# Altium PCB NewBee.PcbDoc (continued)
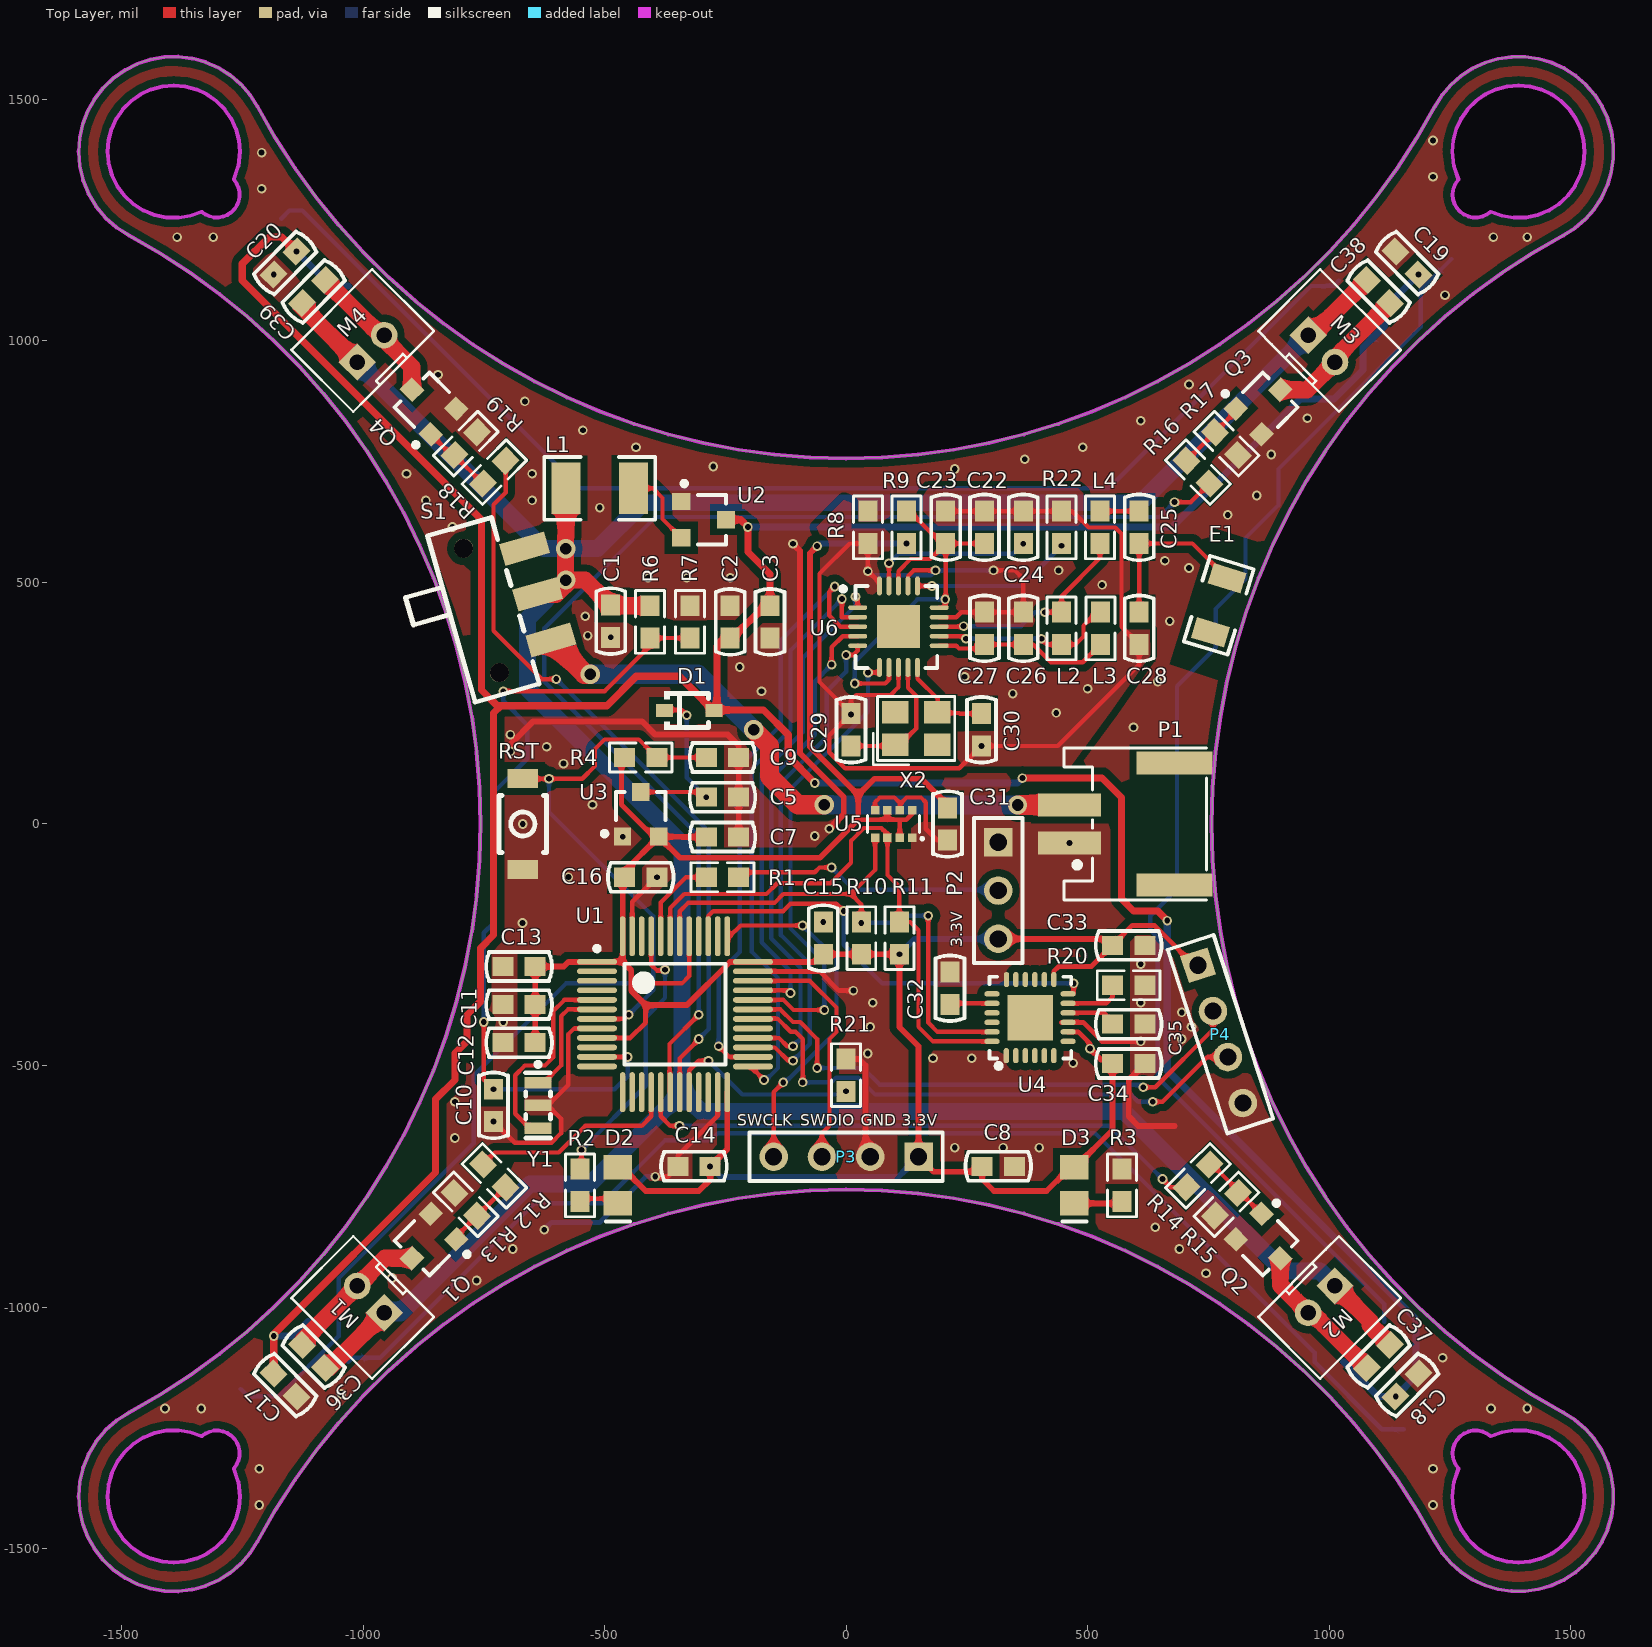
[diagram p0: Top Layer view]
## Footprints (in the part's own frame and the unit in brackets; to place one, negate y for a bottom-side part, rotate by r counter-clockwise, add the part's x,y. Pads: shape width x height; smd on the part's side, far side on the other; paste and mask are expansions set on the pad) (continued)
  silkscreen extent -4.55,-1.59 4.55,3.91, body extent -4.5,-3.59 4.5,3.86, height 3.82
SW-SMD_L4.0-W3.0-P4.8-LS5.0-L [mm]
  rect 1x1.6 smd mask+0.051: 1(-2.4,0) 2(2.4,0)
  silkscreen extent -1.5,-1.25 1.5,1.25, body extent -2.4,-1.6 2.4,1.6, height 2
X-SMD_4P-L3.2-W2.5-BL [mil]
  rect 55.1x47.2 smd mask+2: 1(-43.3,-33.5) 2(43.3,-33.5) 3(43.3,33.5) 4(-43.3,33.5)
  silkscreen extent -89,-75 80,66, body extent -63,-49 63,49, height 39

## Part data
C1 C2 C3 C5 C7 C8 C9 C10 C11 C12 C13 C14 C15 C16 C17 C18 C19 C20 C22 C23 C24 C25 C26 C27 C28 C29 C30 C31 C32 C33 C34 C35 C36 C37 C38 C39: library part Cap-S, "贴片瓷片电容"
D1: library part Diode-Schottky, "肖特基二极管"
D2 D3: "发光二极管"
D4 D5 D6 D7: "WS2812B 4脚RGB全彩LED"
E1: "2.4G Antenna"
L1 L2 L3 L4: "电感"
M1 M2 M3 M4: library part "Header 2", "接插件"
P1 P2 P3 P4: "接插件"
Q1 Q2 Q3 Q4: "N沟道贴片"
R1 R2 R3 R4 R6 R7 R8 R9 R10 R11 R12 R13 R14 R15 R16 R17 R18 R19 R20 R21 R22: library part Res1, "贴片电阻"
RST: "微动开关"
S1: library part SW-SPDT, "开关"
U1: "STM32F103, 48引脚, 64Kb Flash, 20Kb SRAM"
U2: library part HT7750SA_3pins
U3: library part XC6206, "稳压芯片"
U5: library part FBM320, "气压计"
U6: library part nRF24L01
X2: library part XTAL-4PIN
Y1: library part XTAL-3PIN, "贴片晶振"

## Via types
v1: diameter 20, hole 12, Top Layer to Bottom Layer, tented both sides, 172 vias
v2: diameter 40, hole 24, Top Layer to Bottom Layer, tented both sides, 5 vias
v3: diameter 40, hole 24, Top Layer to Bottom Layer, 1 vias

## Nets (pads, with @x,y where several pads share a name; then routed paths per layer and width w, separated by ;. In a path a pad name is that pad's centre, name@x,y a point inside that pad or via, vN(x,y) a via of type N, cw(c..) or ccw(c..) an arc to the next point about the centre after c; other vN are vias at no path point)
3.3V: C7.1 C8.1 C11.2 C12.2 C13.2 C14.1 C15.2 C16.2 C31.2 C33.2 C34.2 D2.1 D3.1 P2.3 P3.1 P4.1 R4.2 R9.2 R10.1 R11.1 U1.1 U1.9 U1.24 U1.36 U1.48 U3.2 U4.8 U4.13 U5.2 U5.6 U5.8 | length 6390.5
  Top Layer w10: U1.9 -446.8,-442.91 -415,-411.11 -415,-375 ; R4.2 -465,131.46 -465,40 -398.74,-26.26 U3.2 ; 23.68,8.68 85,8.68 ; U5.6 85,27.91 85,8.68 ; U5.2 111.22,5.22 ; U5.8 136.81,20.86 124.64,8.68 85,8.68 ; U4.13 430.04,-304.96 440,-295 507.76,-295 C33.2 592.76,-210 638.3,-210 720.64,-292.34 P4.1 ; U4.8 480.35,-430.35 505,-455 v1(505,-465)
  Top Layer w12: C12.2 C11.2 C13.2 -584.7,-295.28 -574.85,-285.43 U1.1 -462.6,-285.43 ; D2.1 -464.37,-710.63 -415,-760 -305,-760 -281.5,-736.5 v1(-281.5,-709.3) ; C7.1 -339.05,-26.9 U3.2 ; C14.1 -246.06,-673.23 U1.24 ; v1(-60,575.35) -75,560.35 -75,160 25,60 ; C15.2 R10.1 v1(110.24,-269.69) 110.24,-420.24 150,-460 P3.1 181.02,-720 276.5,-720 C8.1@281.5,-725 ; C15.2@-45,-263.46 -66.97,-285.43 U1.36 -238.46,-285.43 -238.65,-285.62 -240.62,-285.62 -330,-375 -415,-375 -445,-345 -445,-303.03 -462.6,-285.43 ; R9.2@115.88,590 v1(125.17,580.71) ; C31.2@216.53,33.47 156.3,93.7 58.7,93.7 25,60 ; C8.1 C8.1@281.5,-725 ; P2.3 538.11,-237.8 C33.2 ; v1(505,-465) 527.44,-487.44 551.53,-487.44 551.53,-633.47 474.37,-710.63 D3.1 464.37,-710.63 415,-760 306.34,-760 281.5,-735.16 C8.1@281.5,-725 ; -462.6,-285.43 U1.48 -462.6,-114.17 C16.2 -458.66,-97.13 U3.2 ; U3.2 -344.06,-70 -53.89,-70 23.68,7.57 23.68,8.68 25,10 25,60
  Bottom Layer w12: v1(-281.5,-709.3) -260.3,-730.5 106.87,-730.5 107.67,-731.3 P3.1 ; v1(-60,575.35) -54.64,580.71 v1(125.17,580.71) ; v1(110.24,-269.69) 142.13,-237.8 P2.3
5V: C2.2 C3.2 C17.1 C18.1 C19.1 C20.1 D1.1 D4.1 D5.1 D6.1 D7.1 U2.3 | length 8374.5
  Top Layer w15: C17.1 -1180,-1132.67 -1185,-1127.67 v1(-1185,-1060) -1185,-1056.61 -850,-721.61 -850,-570 -809.84,-529.84 -809.84,-474.84 -785,-450 -785,-395.33 -756.67,-366.99 -756.67,-256.67 -730,-230 -730,230 -715,245 ; v1(-1137.75,1185.08) -1167.67,1215 -1195,1215 -1250,1160 -1250,1125 -755,630 -755,277.6 -722.4,245 -495,245 -434.3,305.7 -345.7,305.7 -282.51,242.51 D1.1@-273.8,242.51 ; D1.1@-273.8,236.22 D1.1@-267.51,242.51 ; D1.1@-259.61,234.61 -266.9,241.9 D1.1@-267.51,242.51 ; D1.1@-258,236.22 -171.22,236.22 -120,185 -120,140 v1(-65,85) ; U2.3 -218.3,630 v1(-203.3,615) -203.3,563.3 -157.48,517.48 C3.2 -168.15,451.85 -235.08,384.92 -250.98,384.92 -267.51,368.39 D1.1@-267.51,242.51 ; v1(365,95) 530,95 570,55 570,-155 595,-180 645,-180 v1(665,-200)
  Bottom Layer w15: v1(-1185,-1060) -1143.52,-1060 D4.1 ; v1(-1137.75,1185.08) -1066.57,1113.89 D7.1 ; v1(-203.3,615) 675,615 940,880 1010,880 1070,940 1070,986.48 D6.1 1113.89,1066.57 v1(1185.08,1137.75) ; v1(-65,85) 355,85 v1(365,95) ; v1(665,-200) 665,-510 1180,-1025 1180,-1142.83 v1(1137.75,-1185.08) 1101.56,-1185.08 D5.1
BOOT0: R1.1 U1.44 | length 185.8
  Top Layer w9: U1.44 -383.86,-162.64 -331.45,-110.24 R1.1
GND: C1.1 C2.1 C3.1 C5.2 C7.2 C8.2 C9.2 C10.1 C11.1 C12.1 C13.1 C14.2 C15.1 C16.1 C17.2 C18.2 C19.2 C20.2 C31.1 C32.1 C33.1 C34.1 C35.2 D4.3 D5.3 D6.3 D7.3 P1.1 P2.1 P3.2 P4.4 Q1.2 Q2.2 Q3.2 Q4.2 R3.1 R7.2 R8.2 R13.1 R15.1 R17.1 R19.1 R20.1 R21.2 RST.2 U1.8 U1.23 U1.35 U1.47 U2.1 U3.1 U4.1 U4.9 U4.18 U5.1 U5.5 U5.7 Y1.2 | length 3663
  Top Layer w9: v1(-730,-616.14) -686.14,-660 -610,-660 -590,-640 -590,-610 -617.32,-582.68 Y1.2@-617.68,-582.68 ; Y1.2 Y1.2@-617.68,-582.68 ; U1.8 -563.23,-423.23 -575,-435 -575,-540 Y1.2@-617.68,-582.68 ; U5.5 60.04,45.04 70,55 100,55 111.22,43.78 111.22,41.22 ; U5.7 111.22,41.22 ; C31.1 188.46,-33.46 165,-10 165,45 155,55 125,55 111.22,41.22
  Top Layer w10: U1.47 -442.91,-161.42 v1(-391.73,-110.24) ; v1(-395,-730) -369.76,-730 C14.2 -348.43,-687.09 -265.75,-604.41 U1.23 ; U1.35 -55,-305.12 -15.12,-345 v1(15,-345) ; U4.9@445.67,-410.67 U4.9@470.31,-410.67 ; U4.9 490.66,-410.66 530,-450 v1(610,-450)
  Top Layer w12: v1(-695,150) -695,165 -647.5,212.5 -422.5,212.5 -395,185 -245,185 -222.44,162.44 C9.2 C5.2 C7.2 ; v1(-110,580) -95.5,565.5 -95.5,146.61 -5,56.11 -5,20 v1(-35,-10) v1@-30,-5 ; R21.2 26.54,-486.54 40,-500 40,-678.98 P3.2 ; C34.1 585,-529.53 585,-605 605,-625 680,-625
  Bottom Layer w10: v1(-625,-840) -610,-825 -510,-825 -415,-730 v1(-395,-730)
  other v1: -1215,-1410 1215,-1410 -1215,-1335 1215,-1335 -1410,-1210 -1335,-1210 1335,-1210 1410,-1210 -1045,-1180 1235,-1105 -765,-945 -940,-940 745,-930 -690,-880 690,-880 640,-835 225,-670 325,-670 400,-670 -810,-650 -810,-575 470,-495 180,-485 260,-485 45,-475 695,-445 50,-420 715,-420 -710,-410 695,-390 55,-370 610,-370 610,-290 -670,-205 -47.25,-202.76 -575,-110 462.27,-39.4 -462.6,-26.26 -65,-25 -669.29,0 -525,40 -585,125 -620,160 -695,185 595,200 -175,275 645,295 -220,325 -487.44,386.54 -535,390 670,420 -540,430 -410,510 -330,510 -240,510 710,530 660,545 -815,615 790,640 -510,655 -870,670 -650,670 850,680 -910,725 -650,725 225,735 -275,740 370,755 880,765 -435,780 490,780 -545,815 610,835 955,840 -665,875 710,910 -845,930 1240,1095 -1185.08,1137.75 -1385,1215 -1310,1215 1340,1215 1410,1215 -1210,1315 1215,1340 -1210,1390 1215,1415
INT: U1.39 U4.12 | length 941.2
  Top Layer w9: U1.39 -285.43,-190.74 -275,-180.3 -130.3,-180.3 -115,-165 -20.61,-165 -5.3,-180.3 v1(-5,-180) ; U4.12@470.31,-351.61 471.3,-351.61 v1(471.3,-330)
  Bottom Layer w9: v1(-5,-180) -5,-250 75,-330 v1(471.3,-330)
LED: R2.1 U1.45 | length 578.5
  Top Layer w9: R2.1 -547.87,-711.26 v1(-547.87,-674.75) ; U1.45 -403.54,-291.46 -391.51,-303.49 v1@-375,-303.49
  Bottom Layer w9: v1(-547.87,-674.75) -415,-541.88 -415,-400 -375,-360 v1(-375,-301.75)
MISO: U1.27 U6.5 | length 1067.4
  Top Layer w9: U1.27 -147.4,-462.6 -120,-490 v1(-110,-490) ; v1(0,350) 15,350 24.06,359.06 U6.5
  Bottom Layer w9: v1(-110,-490) -75,-455 -75,-290 -135,-230 -135,85 -40,180 -40,275 0,315 v1(0,350)
MOSI: U1.28 U6.4 | length 1062.6
  Top Layer w9: U1.28 -138.98,-442.91 -121.89,-460 v1(-110,-460) ; v1(-30,330) -30,365.82 -7.05,388.78 U6.4
  Bottom Layer w9: v1(-110,-460) -94.5,-444.5 -94.5,-297.39 -155,-236.89 -155,95 -65,185 -65,294.61 -30,329.61 v1(-30,330)
NetC5_1: C5.1 D1.2 U3.3 | length 377.5
  Top Layer w9: U3.3 -300.18,66.26 v1(-289.37,55.45) ; D1.2@-376.2,236.22 -341.22,236.22 v1(-330,225)
  Bottom Layer w9: v1(-330,225) -330,96.08 v1(-289.37,55.45)
NetC24_1: C24.1 U6.19 | length 341.6
  Top Layer w9: U6.19 v1(88.74,539.7)
  Bottom Layer w9: v1(88.74,539.7) 108.41,559.36 346.15,559.36 v1(366.78,580)
NetC25_1: C25.1 C28.2 E1.1 | length 354
  Top Layer w9: C28.2 606.73,508.7 C25.1 716.96,580.7 E1.1
NetC25_2: C25.2 L4.2 | length 81.1
  Top Layer w9: L4.2 C25.2
NetC26_1: C26.1 C27.1 L3.1 U6.11 | length 375.3
  Top Layer w9: U6.11 227.8,369.09 233.7,363.2 268.8,363.2 268.8,371.61 C27.1 C26.1 387.3,371.61 424.22,334.7 489.73,334.7 L3.1
NetC29_2: C29.2 U6.9 X2.1 | length 283
  Top Layer w9: C29.2 108.92,161.61 145,197.7 145,265 128.11,281.89 U6.9
NetC30_2: C30.2 U6.10 X2.3 | length 202.6
  Top Layer w9: U6.10 147.8,300.87 189.98,258.7 189.98,229.89 234.3,229.89 235.66,228.54 C30.2
NetC32_2: C32.2 U4.20 | length 77.2
  Top Layer w9: C32.2 217.16,-371.3 U4.20@291.34,-371.3
NetC35_1: C35.1 U4.10 | length 88.6
  Top Layer w9: U4.10@470.31,-390.98 533.82,-390.98 C35.1@551.53,-408.7
NetC36_2: C36.2 M1.2 Q1.3 | length 306.6
  Top Layer w9: C36.2 C36.2@-1126.03,-1070.35
  Top Layer w35: C36.2@-1126.03,-1070.35 M1.2 -954.53,-898.85 Q1.3
NetC37_2: C37.2 M2.2 Q2.3 | length 306.6
  Top Layer w9: M2.2 M2.2@964.76,-1012.09
  Top Layer w35: Q2.3 898.85,-954.53 M2.2 ; M2.2@964.76,-1012.09 C37.2
NetC38_2: C38.2 M3.2 Q3.3 | length 306.6
  Top Layer w9: M3.2 M3.2@1012.09,964.77
  Top Layer w35: Q3.3 954.53,898.85 M3.2 ; M3.2@1012.09,964.77 C38.2
NetC39_2: C39.2 M4.2 Q4.3 | length 301.7
  Top Layer w35: C39.2 -898.85,946.18 Q4.3
NetD2_2: D2.2 R2.2 | length 95.8
  Top Layer w9: R2.2@-565,-770 -565,-775.52 -485.87,-775.52 -488.94,-778.6 D2.2@-488.94,-785.43
NetD3_2: D3.2 R3.2 | length 100.1
  Top Layer w12: D3.2 566.93,-785.43 R3.2
NetD4_2: D4.2 D5.4 | length 2646.3
  Bottom Layer w9: D4.2 -1021.48,-1105 -965,-1105 -645,-785 -505,-785 -375,-655 -280,-655 -265,-640 515,-640 970,-1095 970,-1113.99 1109.1,-1253.09 D5.4@1154.57,-1253.09
NetD5_2: D5.2 D6.4 | length 2658.5
  Bottom Layer w9: D5.2 1113.89,-993.89 645,-525 645,-235 630,-220 630,-190 685,-135 685,285 765,365 765,445 826.99,506.99 826.99,591.99 895.2,660.2 895.2,735 1190,1029.8 1190,1106.48 D6.4
NetD6_2: D6.2 D7.4 | length 2616.1
  Bottom Layer w9: D7.4 -1152.66,1270 -1126.01,1270 -551.01,695 543.72,695 962.61,1113.89 1015.38,1113.89 1015.38,1120.11 D6.2@1019.77,1124.5
NetL1_2: L1.2 U2.2 | length 166.7
  Top Layer w9: L1.2 -400,695 -380,675 -380,631.34 U2.2
NetL2_1: L2.1 L4.1 U6.13 | length 441
  Top Layer w9: U6.13 242.07,408.46 v1(243.3,409.7) ; v1(411.46,438.54) L2.1 446.22,471.61 525.65,551.05 L4.1
  Bottom Layer w9: v1(243.3,409.7) 362.3,409.7 391.15,438.54 v1(411.46,438.54)
NetL2_2: L2.2 L3.2 U6.12 | length 381.9
  Top Layer w9: U6.12 243.22,388.78 v1(248.3,383.7) ; v1(404.22,383.7) 416.3,371.61 L2.2 474.93,371.61 491.41,388.09 491.41,410.71 519.23,438.54 L3.2
  Bottom Layer w9: v1(248.3,383.7) v1(404.22,383.7)
NetP1_2: P1.2 S1.1 | length 1319.3
  Top Layer w40: v2(-530,310) v2@-538.44,310 ; v2(-191.54,195) -158.5,161.96 -158.5,98.5 -99.4,39.4 -98.8,40 v2(-45,40) ; v2(355,39.4) P1.2 ; v2@-538.44,310 -542.04,310 -598.5,366.45 -596.7,368.26 v2@-538.44,310
  Bottom Layer w40: v2(-530,310) -306.54,310 v2(-191.54,195) ; v2(-45,40) v2@-30,40 ; v2@-29.7,39.7 v2@-30,40 ; v2(355,39.4) -29.4,39.4 v2@-30,40
NetP2_2: P2.2 R1.2 | length 565.6
  Top Layer w9: R1.2 -212.2,-100 -65,-100 -55,-90 v1(-30,-90)
  Bottom Layer w9: v1(-30,-90) 16.4,-136.4 313.56,-136.4 P2.2
NetQ1_1: Q1.1 R12.2 R13.2 | length 152.5
  Top Layer w9: Q1.1@-804.7,-859.88 Q1.1 -806.98,-854.31 R13.2 R12.2
NetQ2_1: Q2.1 R14.2 R15.2 | length 150.2
  Top Layer w9: R14.2 757.58,-704.68 Q2.1
NetQ3_1: Q3.1 R16.2 R17.2 | length 150.2
  Top Layer w9: R16.2 806.98,854.31 Q3.1
NetQ4_1: Q4.1 R18.2 R19.2 | length 150.2
  Top Layer w9: Q4.1 -816.63,763.74 R19.2 R18.2
NetR20_2: R20.2 U4.11 | length 114.9
  Top Layer w9: U4.11@470.31,-371.3 538.54,-371.3 551.53,-358.3 R20.2@551.53,-329.96
NetR21_1: R21.1 U1.20 | length 410
  Top Layer w9: U1.20 -324.8,-509.8 -305,-490 v1(-285,-490)
  Bottom Layer w9: v1(-285,-490) -215,-560 -6.54,-560 v1(0,-553.46)
NetR22_2: R22.2 U6.16 | length 333.4
  Top Layer w9: U6.16 v1(177.83,492.83)
  Bottom Layer w9: v1(177.83,492.83) 362.83,492.83 v1(446.22,576.22) v1@446.22,576.63
NetU1_5: U1.5 Y1.3 | length 429.3
  Top Layer w9: Y1.3 -655.12,-629.88 -685,-600 -685,-520 -665,-500 -623.53,-500 -606.2,-482.66 -606.2,-387.15 -583.22,-364.17 U1.5
NetU1_6: U1.6 Y1.1 | length 244.5
  Top Layer w9: Y1.1 -625.48,-535.48 -590,-500 -590,-398.23 -575.63,-383.86 U1.6
PWM1: R12.1 U1.16 | length 439.8
  Top Layer w9: R12.1 -727.33,-680 -595,-680 -540,-625 -423.28,-625 -403.54,-605.27 U1.16
PWM2: R14.1 U1.17 | length 1199.3
  Top Layer w9: U1.17 -383.86,-605 -363.86,-625 v1(-345,-625) ; v1(655,-735) 672.01,-752.01 R14.1
  Bottom Layer w9: v1(-345,-625) 545,-625 v1(655,-735)
PWM3: R16.1 U1.18 | length 2619.4
  Top Layer w9: U1.18 -365.5,-553.79 -365.5,-455.5 v1(-305,-395) ; v1(680,666.39) 713.72,666.39 R16.1
  Bottom Layer w9: v1(-305,-395) -305,-25 -625,295 -625,405 -394.5,635.5 649.11,635.5 v1(680,666.39)
PWM4: R18.1 U1.19 | length 1544.6
  Top Layer w9: R18.1 -704.68,686.26 -730,660.94 -730,400 -630,300 v1(-600,300) ; U1.19 -344.49,-485.51 -305,-446.03 v1(-305,-445)
  Bottom Layer w9: v1(-600,300) -284.5,-15.5 -284.5,-424.5 v1(-305,-445)
RESET: C9.1 R4.1 RST.1 U1.7 | length 1118
  Top Layer w9: RST.1 -668.39,93.58 v1(-615,93.58) -546.42,93.58 -520,120 -520,155 -500,175 -428.94,175 R4.1 C9.1 ; U1.7 -458.54,-403.54 v1(-450,-395)
  Bottom Layer w9: v1(-615,93.58) -615,25 -399.5,-190.5 -399.5,-344.5 v1(-450,-395)
RF_3.3V: C22.2 C23.2 R9.1 U6.7 U6.15 U6.18 | length 871.8
  Top Layer w9: v1(17.8,291.01) 81.01,291.01 88.74,298.74 U6.7 ; U6.18 108.43,523.43 133.56,548.56 174.1,548.56 C23.2 ; R9.1 131.3,647.64 198.23,580.71 C23.2 ; U6.15 205.3,447.83 v1(205.3,465) 206.25,465.95 C23.2 ; C22.2@286.35,580.71 C23.2
  Bottom Layer w9: v1(17.8,291.01) 17.8,335.2 147.61,465 v1(205.3,465)
RF_CE: U1.33 U6.1 | length 1033.8
  Top Layer w9: U1.33 -120.51,-344.49 v1(-115,-350) ; v1(19.3,470.7) 24.06,470.7 U6.1
  Bottom Layer w9: v1(-115,-350) -115,-305 -175,-245 -175,105 -90,190 -90,343.3 19.3,452.61 v1(19.3,470.7)
RF_CSN: U1.25 U6.2 | length 1217.4
  Top Layer w9: U1.25 -192.91,-507.09 v1(-170,-530) ; v1(-8.7,465.7) -8.7,428.15 U6.2
  Bottom Layer w9: v1(-170,-530) -166,-530 -141,-505 -141,-319 -195,-265 -195,115 -115,195 -115,359.39 v1(-8.7,465.7)
RF_GND: C22.1 C23.1 C24.2 C26.2 C27.2 C28.1 C29.1 C30.1 R8.1 R22.1 U6.8 U6.14 U6.17 U6.20 | length 2896.9
  Top Layer w9: U6.20 69.06,499.27 v1(45.08,523.25) R8.1 7.32,580.71 -55,518.39 -55,293.86 C29.1 ; U6.8 108.43,283.43 92.2,267.2 20.82,267.2 10.32,256.7 C29.1 ; U6.17 128.11,513.11 140,525 v1(185,525) ; U6.14 227.91,428.15 238.3,438.54 C27.2 C26.2 366.78,507.7 349.48,525 v1(305,525) ; C23.1 468.36,647.64 502.3,613.7 557.3,613.7 570,601 570,408.35 C28.1 606.74,330.04 438.3,161.61 v1(280.32,161.61) 234.21,115.5 -2.07,115.5 -35,148.43 -35,183.22 C29.1
  Bottom Layer w9: v1(45.08,523.25) 53.33,515 175,515 v1(185,525) v1(305,525)
  other v1: 10.32,226.57 435,230 345,270 500,280 245,305 530,495 440,525
RF_IRQ: U1.32 U6.6 | length 984.8
  Top Layer w9: U1.32 -129.82,-364.17 -108.99,-385 v1(-45,-385) ; v1(45.3,313.7) 69.06,313.7 U6.6
  Bottom Layer w9: v1(-45,-385) -45,-286.21 -115,-216.21 -115,72.26 45.3,232.56 v1(45.3,313.7)
RGB: D4.4 U1.41 | length 1529.9
  Top Layer w9: v1(-420,-330) -340,-330 -324.8,-314.8 U1.41
  Bottom Layer w9: D4.4 -1237.66,-1185 -1175,-1185 -1050.7,-1060.7 -1050.7,-940.7 -770.7,-660.7 -770.7,-520.7 -580,-330 v1(-420,-330)
RX1: P4.2 U1.31 | length 1141.9
  Top Layer w9: U1.31 -136.14,-383.86 -110,-410 -95,-410 -60,-445 v1(-60,-505) ; v1(615,-545) 640,-545 759.55,-425.45 P4.2
  Bottom Layer w9: v1(-60,-505) 35,-505 70,-540 610,-540 v1(615,-545)
SCK: U1.26 U6.3 | length 1264.9
  Top Layer w9: v1(-264,-460) -241.72,-482.28 U1.26 ; v1(-23.7,491.7) -35,480.39 -35,431.77 -11.7,408.46 U6.3
  Bottom Layer w9: v1(-264,-460) -264,-309 -220,-265 -220,120 -135,205 -135,380.39 v1(-23.7,491.7)
SCL: R10.2 U1.42 U4.23 U5.4 | length 1130.4
  Top Layer w9: U1.42 -344.49,-180.75 -327.04,-163.3 -148.3,-163.3 -130,-145 10,-145 ; R10.2 31.5,-166.5 10,-145 ; U5.4 60.04,-94.96 10,-145 ; v1(170,-190) 170,-411 189.35,-430.35 U4.23
  Bottom Layer w9: v1(31.49,-204.72) 93.39,-204.72 108.11,-190 v1(170,-190)
SDA: R11.2 U1.43 U4.24 U5.3 | length 1211.8
  Top Layer w9: U1.43 -364.17,-174.17 -335,-145 -165,-145 -142.5,-122.5 -32.5,-122.5 10,-80 10,-35 36.7,-8.3 73.3,-8.3 85.63,-20.63 U5.3 85.63,-105.63 110,-130 110,-202.52 R11.2 132.76,-202.76 150,-220 150,-420 180.03,-450.03 U4.24
SWCLK: P3.4 U1.37 | length 731.7
  Top Layer w9: U1.37 -243.35,-235 -218.35,-210 v1(-90,-210) ; P3.4 -150,-555 v1(-130,-535)
  Bottom Layer w9: v1(-130,-535) -126.01,-535 -20,-428.99 -20,-280 v1(-90,-210)
SWDIO: P3.3 U1.34 | length 517.2
  Top Layer w9: U1.34 -75.2,-324.8 -20,-380 -20,-430.5 -34.5,-445 -34.5,-624.5 -50,-640 P3.3
TX1: P4.3 U1.30 | length 1154.8
  Top Layer w9: U1.30 -192.1,-402.73 -142.27,-402.73 -114.75,-430.25 -104.75,-430.25 -89.5,-445.5 -89.5,-534.5 v1(-90,-535) ; v1(635,-575) 655,-575 747.45,-482.55 P4.3
  Bottom Layer w9: v1(-90,-535) -30.76,-535 -20.76,-525 25,-525 60,-560 590,-560 605,-575 v1(635,-575)
VBAT: C1.2 C36.1 C37.1 C38.1 C39.1 L1.1 M1.1 M2.1 M3.1 M4.1 R6.1 S1.2 | length 7008.6
  Top Layer w35: C39.1 -1130.2,1074.52 M4.1 ; C36.1 -1070.35,-1126.02 M1.1 ; S1.2 -600.93,475.53 v3@-571.45,505 ; -580.68,595 v2(-580.68,570) -580.68,514.22 v3@-571.45,505 ; v3(-580,505) v3@-571.45,505 ; -580,595 L1.1 ; R6.1@-410,453.47 -411.62,451.85 -487.44,451.85 -540.59,505 v3@-571.45,505 ; M3.1 964.76,1012.09 C38.1 ; M2.1 1084.98,-1029.3 1084.98,-1037.66 C37.1
  Bottom Layer w35: M4.1 -625.68,570 v2(-580.68,570) -515,570 -420,665 609.32,665 M3.1 ; M1.1 -922.09,-1012.09 -655,-745 -530,-745 -340,-555 ; v3(-580,505) -660,425 -660,280 -340,-40 -340,-555 ; M2.1 980.68,-925 905,-925 575,-595 -300,-595 -340,-555
VBAT_T: C10.2 R6.2 R7.1 U1.11 | length 1719.6
  Top Layer w9: v1(-750,-410) -750,-529.21 v1(-730,-549.21) ; v1(-710,275) -500,275 -410,365 -410,384.92 R7.1@-330.45,384.92 ; U1.11 v1(-452.28,-482.28)
  Bottom Layer w9: v1(-750,-410) -750,-225 -730,-205 -730,65 -660,135 -660,205 -710,255 v1(-710,275) ; v1(-730,-549.21) -479.21,-549.21 -452.28,-522.28 v1(-452.28,-482.28)
pads on no net: D7.2 E1.0 P1.3 P1.4 S1. S1.3 U1.2 U1.3 U1.4 U1.10 U1.12 U1.13 U1.14 U1.15 U1.21 U1.22 U1.29 U1.38 U1.40 U1.46 U4.2 U4.3 U4.4 U4.5 U4.6 U4.7 U4.14 U4.15 U4.16 U4.17 U4.19 U4.21 U4.22 U4.25 U6.0 X2.2 X2.4

## Polygon pours and split planes (outlines as drawn)
RF_GND on Top Layer "Top Layer-No Net" (solid, remove dead copper, pour order 4): 64.06,695 557.09,695 628.28,639.66 629.17,349.73 550,235 464.56,120 14.06,120 -75.94,210 -75.94,600 19.06,695
GND on Top Layer "Top Layer-No Net" (solid, remove dead copper, pour order 6): -675,-1040 -570,-935 305,-935 500,-935 1205,-1640 1265,-1700 1660,-1700 1730,-1630 1730,-1305 1730,-1285 1475,-1030 955,-510 877.19,261.13 669.23,330.82 756.82,613.99 967.7,547.7 1750,1330 1770,1350 1770,1670 1690,1750 1655,1750 1290,1750 1230,1690 640,1100 640,1085 525,970 100,970 -470,970 -535,1035 -1210,1710 -1240,1710 -1560,1710 -1580,1690 -1705,1565 -1705,1280 -1705,1170 -975,440 -975,-445 -1530,-1000 -1710,-1180 -1710,-1560 -1550,-1720 -1550,-1735 -1225,-1735 -1200,-1760
RF_GND on Bottom Layer "Top Layer-No Net" (solid, remove dead copper, pour order 2): 65,695 629.17,695 629.17,349.73 541.01,222.63 464.56,120 15,120 -75,210 -75,600 20,695
GND on Bottom Layer "Top Layer-No Net" (solid, remove dead copper, pour order 8): -675,-1040 -570,-935 305,-935 500,-935 1205,-1640 1265,-1700 1660,-1700 1730,-1630 1730,-1305 1730,-1285 1475,-1030 955,-510 877.19,261.13 669.23,330.82 756.82,613.99 967.7,547.7 1750,1330 1770,1350 1770,1670 1690,1750 1655,1750 1290,1750 1230,1690 640,1100 640,1085 525,970 100,970 -470,970 -535,1035 -1210,1710 -1240,1710 -1560,1710 -1580,1690 -1705,1565 -1705,1280 -1705,1170 -975,440 -975,-445 -1530,-1000 -1710,-1180 -1710,-1560 -1550,-1720 -1550,-1735 -1225,-1735 -1200,-1760

## Keep-outs
Keep-Out Layer:
  lines w8: -1588.79,-1391.94 -1586.67,-1420.8 -1580.33,-1449.03 -1569.93,-1476.03 -1555.68,-1501.22 -1537.89,-1524.04 -1516.95,-1544.01 -1493.31,-1560.69 -1467.47,-1573.73 -1440.01,-1582.83 -1411.5,-1587.82 -1382.58,-1588.57 -1353.86,-1585.07 -1325.95,-1577.4 -1299.48,-1565.73 -1275,-1550.29 -1253.05,-1531.44 -1234.1,-1509.57 -1218.56,-1485.16 -1181.52,-1420.5 -1141.04,-1357.92 -1097.25,-1297.61 -1050.28,-1239.75 -1000.26,-1184.5 -947.34,-1132.03 -891.67,-1082.48 -833.42,-1036 -772.74,-992.73 -709.82,-952.78 -644.85,-916.28 -578,-883.33 -509.47,-854.03 -439.47,-828.47 -368.19,-806.71 -295.84,-788.81 -222.64,-774.85 -148.78,-764.84 -74.5,-758.82 0,-756.82 74.5,-758.82 148.78,-764.84 222.63,-774.85 295.84,-788.81 368.19,-806.71 439.47,-828.47 509.47,-854.03 578,-883.33 644.84,-916.28 709.82,-952.78 772.74,-992.73 833.41,-1036 891.67,-1082.48 947.34,-1132.03 1000.26,-1184.5 1050.28,-1239.75 1097.25,-1297.61 1141.04,-1357.92 1181.52,-1420.5 1218.56,-1485.16 1233.65,-1508.97 1251.99,-1530.37 1273.19,-1548.94 1296.83,-1564.29 1322.42,-1576.11 1349.43,-1584.15 1377.31,-1588.25 1405.5,-1588.33 1433.4,-1584.38 1460.46,-1576.48 1486.11,-1564.81 1509.83,-1549.59 1531.14,-1531.14 1549.59,-1509.83 1564.81,-1486.11 1576.48,-1460.46 1584.38,-1433.4 1588.33,-1405.5 1588.25,-1377.31 1584.15,-1349.43 1576.11,-1322.42 1564.29,-1296.83 1548.94,-1273.19 1530.37,-1251.99 1508.97,-1233.65 1485.16,-1218.56 1420.5,-1181.52 1357.92,-1141.04 1297.61,-1097.25 1239.75,-1050.28 1184.5,-1000.26 1132.03,-947.34 1082.48,-891.67 1036,-833.41 992.73,-772.74 952.78,-709.82 916.28,-644.84 883.33,-578 854.03,-509.47 828.47,-439.47 806.71,-368.19 788.81,-295.84 774.85,-222.63 764.84,-148.78 758.82,-74.5 756.81,0 758.82,74.5 764.84,148.78 774.85,222.64 788.81,295.84 806.71,368.19 828.47,439.47 854.03,509.47 883.33,578 916.28,644.85 952.78,709.82 992.73,772.74 1036,833.42 1082.48,891.67 1132.03,947.34 1184.5,1000.26 1239.75,1050.28 1297.61,1097.25 1357.92,1141.04 1420.5,1181.52 1485.16,1218.56 1508.97,1233.65 1530.37,1251.99 1548.94,1273.19 1564.29,1296.83 1576.11,1322.42 1584.15,1349.43 1588.25,1377.31 1588.33,1405.5 1584.38,1433.4 1576.48,1460.46 1564.81,1486.11 1549.59,1509.83 1531.14,1531.14 1509.83,1549.59 1486.11,1564.81 1460.46,1576.48 1433.4,1584.38 1405.5,1588.33 1377.31,1588.25 1349.43,1584.15 1322.42,1576.11 1296.83,1564.29 1273.19,1548.94 1251.99,1530.37 1233.65,1508.97 1218.56,1485.16 1181.52,1420.5 1141.04,1357.92 1097.25,1297.61 1050.28,1239.75 1000.26,1184.5 947.34,1132.03 891.67,1082.48 833.41,1036 772.74,992.73 709.82,952.78 644.84,916.28 578,883.33 509.47,854.03 439.47,828.47 368.19,806.71 295.84,788.82 222.63,774.85 148.78,764.84 74.5,758.82 0,756.82 -74.5,758.82 -148.78,764.84 -222.64,774.85 -295.84,788.82 -368.19,806.71 -439.47,828.47 -509.47,854.03 -578,883.33 -644.85,916.28 -709.82,952.78 -772.74,992.73 -833.42,1036 -891.67,1082.48 -947.34,1132.03 -1000.26,1184.5 -1050.28,1239.75 -1097.25,1297.61 -1141.04,1357.92 -1181.52,1420.5 -1218.56,1485.16 -1234.1,1509.57 -1253.05,1531.44 -1275,1550.29 -1299.48,1565.73 -1325.95,1577.4 -1353.86,1585.07 -1382.58,1588.57 -1411.5,1587.82 -1440.01,1582.84 -1467.47,1573.73 -1493.31,1560.69 -1516.95,1544.01 -1537.89,1524.04 -1555.68,1501.22 -1569.93,1476.03 -1580.33,1449.03 -1586.67,1420.8 -1588.79,1391.94 -1586.47,1361.76 -1579.54,1332.3 -1568.18,1304.24 -1552.65,1278.26 -1533.32,1254.96 -1510.64,1234.91 -1485.16,1218.56 -1420.5,1181.52 -1357.92,1141.04 -1297.61,1097.25 -1239.75,1050.28 -1184.5,1000.26 -1132.03,947.34 -1082.48,891.67 -1036,833.42 -992.73,772.74 -952.78,709.82 -916.28,644.85 -883.33,578 -854.04,509.47 -828.47,439.47 -806.71,368.19 -788.82,295.84 -774.85,222.64 -764.84,148.78 -758.82,74.5 -756.82,0 -758.82,-74.5 -764.84,-148.78 -774.85,-222.63 -788.82,-295.84 -806.71,-368.19 -828.47,-439.47 -854.04,-509.47 -883.33,-578 -916.28,-644.84 -952.78,-709.82 -992.73,-772.74 -1036,-833.41 -1082.48,-891.67 -1132.03,-947.34 -1184.5,-1000.26 -1239.75,-1050.28 -1297.61,-1097.25 -1357.92,-1141.04 -1420.5,-1181.52 -1485.16,-1218.56 -1510.64,-1234.91 -1533.32,-1254.96 -1552.65,-1278.26 -1568.18,-1304.24 -1579.54,-1332.29 -1586.47,-1361.76 -1588.79,-1391.94 ; -1528.95,-1391.94 -1526.87,-1415.73 -1520.69,-1438.8 -1510.6,-1460.45 -1496.9,-1480.01 -1480.01,-1496.9 -1460.45,-1510.59 -1438.8,-1520.69 -1415.73,-1526.87 -1391.94,-1528.95 -1368.15,-1526.87 -1345.08,-1520.69 -1323.44,-1510.59 -1303.88,-1496.9 -1286.99,-1480.01 -1273.29,-1460.45 -1263.2,-1438.8 -1257.02,-1415.73 -1254.94,-1391.94 -1258.15,-1362.45 -1267.63,-1334.34 -1262.03,-1326.63 -1258.09,-1317.96 -1255.97,-1308.67 -1255.76,-1299.15 -1257.46,-1289.78 -1261.01,-1280.94 -1266.25,-1272.99 -1272.99,-1266.25 -1280.94,-1261.01 -1289.78,-1257.46 -1299.15,-1255.76 -1308.68,-1255.97 -1317.96,-1258.09 -1326.63,-1262.03 -1334.34,-1267.63 -1357.82,-1259.25 -1382.44,-1255.26 -1407.37,-1255.81 -1431.79,-1260.86 -1454.88,-1270.25 -1475.9,-1283.67 -1494.13,-1300.68 -1508.98,-1320.71 -1519.95,-1343.1 -1526.68,-1367.11 -1528.95,-1391.94 ; -1528.95,1391.94 -1526.87,1415.73 -1520.69,1438.8 -1510.6,1460.45 -1496.9,1480.01 -1480.01,1496.9 -1460.45,1510.6 -1438.8,1520.69 -1415.73,1526.87 -1391.94,1528.95 -1368.15,1526.87 -1345.08,1520.69 -1323.44,1510.6 -1303.88,1496.9 -1286.99,1480.01 -1273.29,1460.45 -1263.2,1438.8 -1257.02,1415.73 -1254.94,1391.94 -1258.15,1362.45 -1267.63,1334.34 -1262.03,1326.63 -1258.09,1317.96 -1255.97,1308.68 -1255.76,1299.15 -1257.46,1289.78 -1261.01,1280.94 -1266.25,1272.99 -1272.99,1266.25 -1280.94,1261.01 -1289.78,1257.46 -1299.15,1255.76 -1308.68,1255.97 -1317.96,1258.09 -1326.63,1262.03 -1334.34,1267.63 -1357.82,1259.25 -1382.44,1255.26 -1407.37,1255.81 -1431.79,1260.86 -1454.88,1270.25 -1475.9,1283.67 -1494.13,1300.68 -1508.98,1320.71 -1519.95,1343.1 -1526.68,1367.11 -1528.95,1391.94 ; 1254.93,-1391.94 1257.02,-1415.73 1263.2,-1438.8 1273.29,-1460.45 1286.99,-1480.01 1303.87,-1496.9 1323.44,-1510.59 1345.08,-1520.69 1368.15,-1526.87 1391.94,-1528.95 1415.73,-1526.87 1438.8,-1520.69 1460.45,-1510.59 1480.01,-1496.9 1496.9,-1480.01 1510.59,-1460.45 1520.69,-1438.8 1526.87,-1415.73 1528.95,-1391.94 1526.68,-1367.11 1519.95,-1343.1 1508.98,-1320.71 1494.13,-1300.68 1475.9,-1283.67 1454.88,-1270.25 1431.78,-1260.86 1407.37,-1255.81 1382.44,-1255.26 1357.82,-1259.25 1334.34,-1267.63 1326.34,-1261.86 1317.32,-1257.88 1307.67,-1255.86 1297.81,-1255.88 1288.17,-1257.96 1279.17,-1261.98 1271.2,-1267.79 1264.61,-1275.13 1259.68,-1283.67 1256.64,-1293.05 1255.61,-1302.86 1257,-1314.23 1261.09,-1324.93 1267.63,-1334.34 1258.15,-1362.45 1254.93,-1391.94 ; 1254.93,1391.94 1257.02,1415.73 1263.2,1438.8 1273.29,1460.45 1286.99,1480.01 1303.87,1496.9 1323.44,1510.6 1345.08,1520.69 1368.15,1526.87 1391.94,1528.95 1415.73,1526.87 1438.8,1520.69 1460.45,1510.6 1480.01,1496.9 1496.9,1480.01 1510.59,1460.45 1520.69,1438.8 1526.87,1415.73 1528.95,1391.94 1526.68,1367.11 1519.95,1343.1 1508.98,1320.71 1494.13,1300.68 1475.9,1283.67 1454.88,1270.25 1431.78,1260.86 1407.37,1255.81 1382.44,1255.26 1357.82,1259.25 1334.34,1267.63 1326.34,1261.86 1317.32,1257.88 1307.67,1255.86 1297.81,1255.88 1288.17,1257.96 1279.17,1261.98 1271.2,1267.79 1264.61,1275.13 1259.68,1283.67 1256.64,1293.05 1255.61,1302.86 1257,1314.23 1261.09,1324.94 1267.63,1334.34 1258.15,1362.45 1254.93,1391.94

## Other copper
Top Layer:
  pour cut-out: -575,464.47 -566.55,435.25 -559.29,410.16 -549.19,375.23 -529.99,345.31 -552.04,317.96 -575,295 -575.44,295.44 -613.4,295.44 -634.34,380.66 -649.4,435.25 -615.43,449.57
Bottom Layer:
  pour cut-out: -594.84,410.16 -566.55,435.25 -559.29,410.16 -549.19,375.23 -529.99,345.31 -552.04,317.96 -575,295 -575.44,295.44 -613.4,295.44 -613.4,388.4 -615,390 -608.24,396.76

## Silkscreen, mask and mechanical layers (free items; w line width, h text height)
Top Overlay:
  text "3.3V" at 240,-255 h23.62 r90
  text "SWCLK" at -225,-625 h23.62
  text "SWDIO" at -95,-625 h23.62
  text "GND" at 30,-625 h23.62
  text "3.3V" at 115,-625 h23.62
Bottom Overlay:
  text "3.3V" at 655,-355 h23.62 r288
  text "RX" at 685,-440 h23.62 r288
  text "TX" at 715,-535 h23.62 r288
  text "GND" at 750,-640 h23.62 r288